# KiCad board SparkFun_RTK_mosaic-T.kicad_pcb (continued)
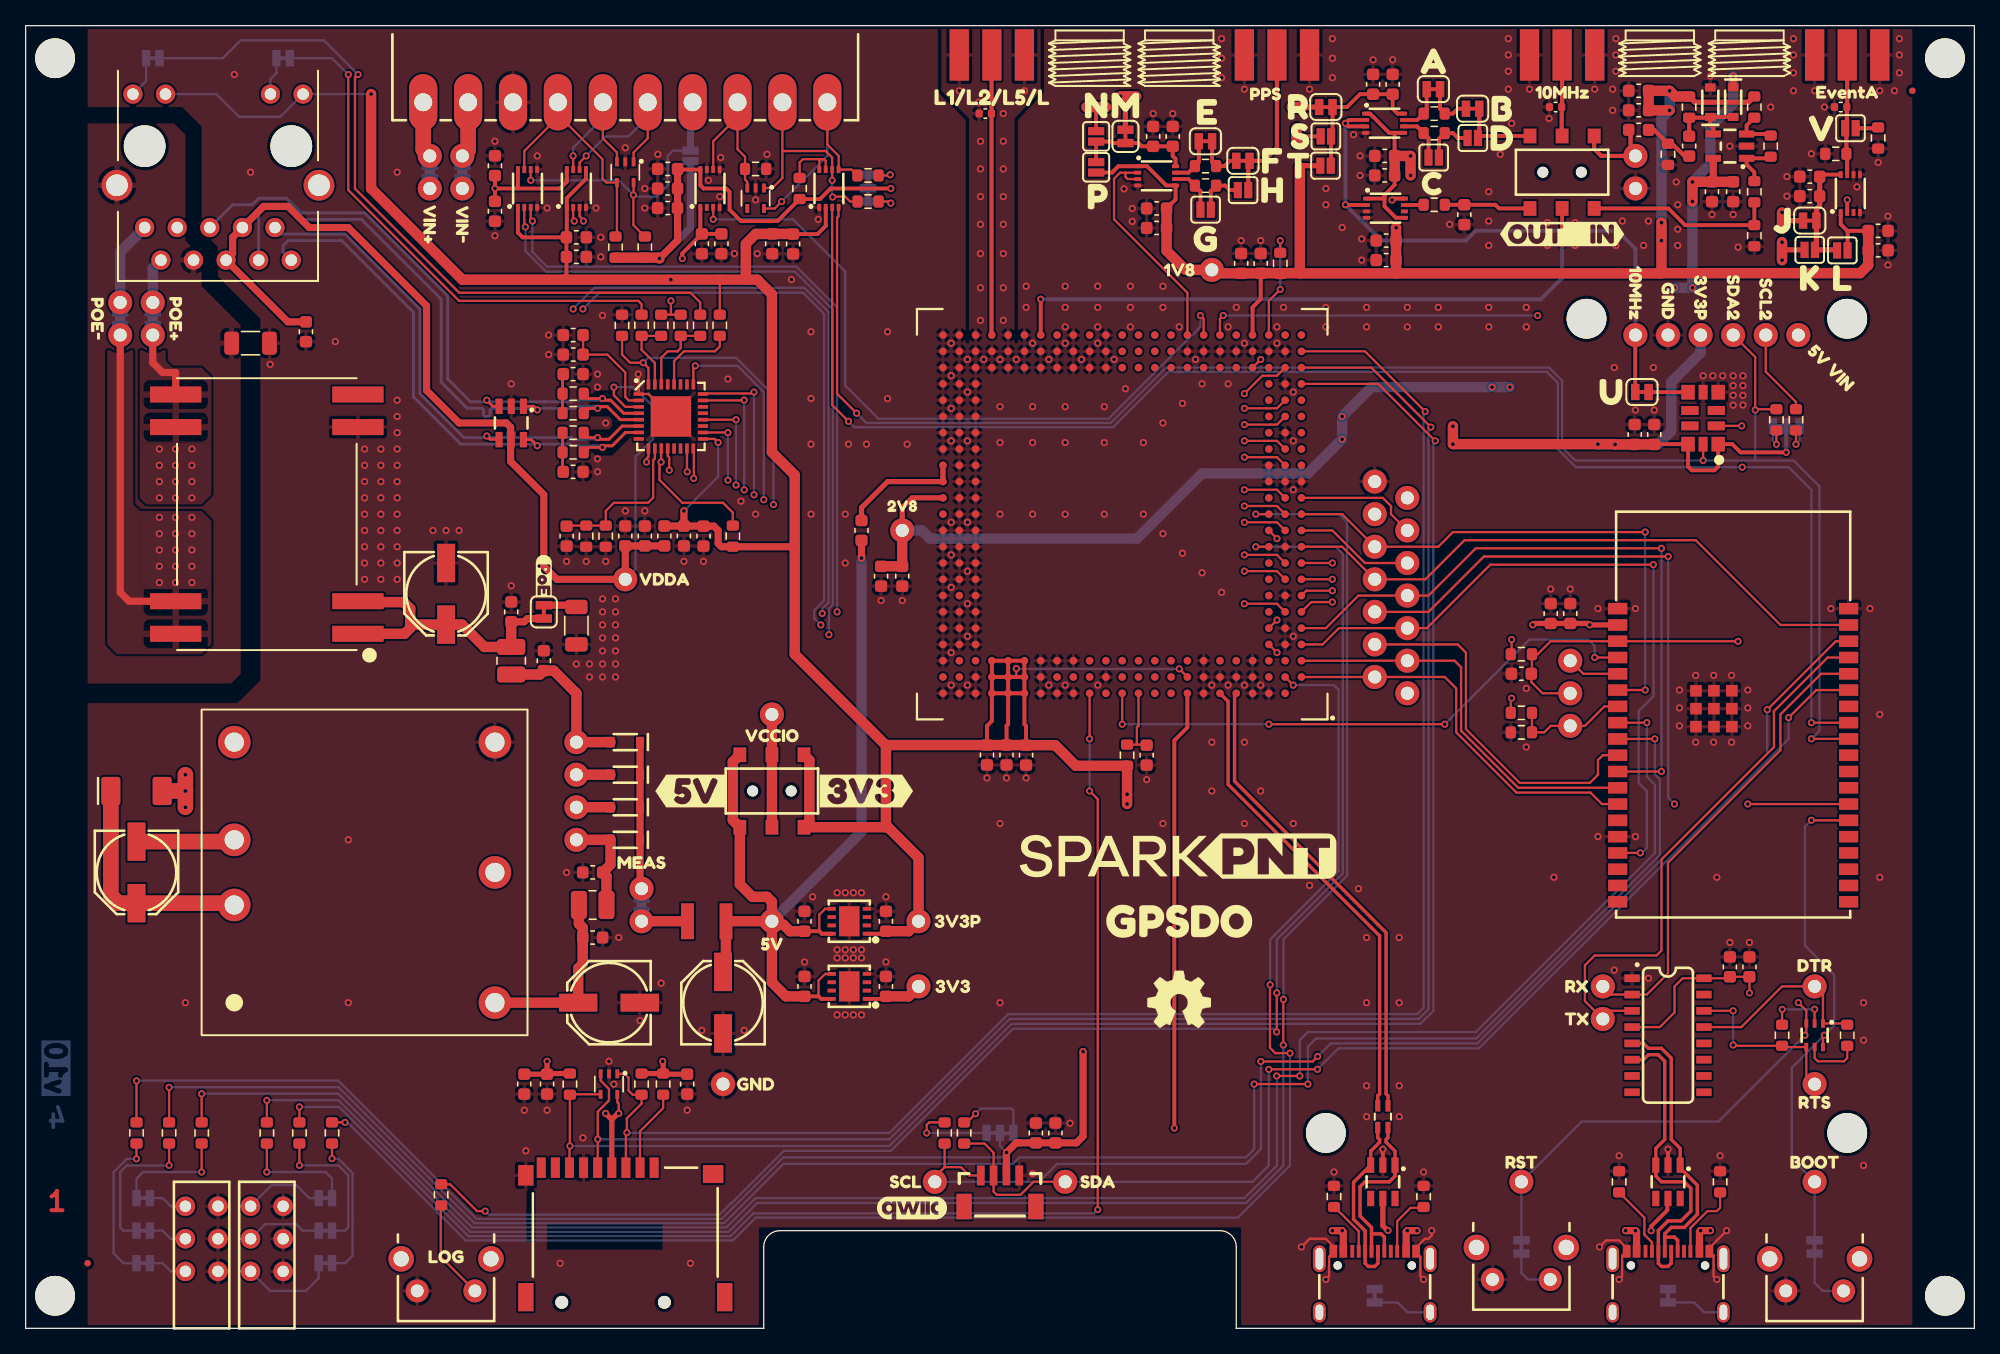
[diagram p0: board, top side]
## Routing (per net, layer and track width the routed paths; a pad name or vN(x,y) marks a point on that pad's centre or on a via; arc(x,y) is an arc through that point) (continued)
ESP22/SCL: length 101.1
  Top w0.178: v1(96.28,20.81) 100.32,20.81 v1(100.72,21.21) ; U1.36 141.1,53.59 v1(135.75,48.25) ; 71.63,12.57 R6.1 ; 71.63,12.57 70.87,11.81 TP25.1 ; 71.63,12.57 72.9,12.57 73.55,11.93 J7.4
  Bottom w0.178: 135.77,48.23 v1(135.75,48.25) 135.75,44.82 113.16,22.22 101.73,22.22 v1(100.72,21.21) ; TP25.1 79,11.43 80.4,12.83 95.13,12.83 96.28,13.98 v1(96.28,20.81) 96.27,20.83
ESP23/MRX3: length 47.7
  Top w0.178: U2.K1 102.62,60.96 TP16.1 109.11,58.42 112.15,61.47 130.18,61.47 136.79,54.86 U1.37
ESP25/MRX4: length 37.3
  Top w0.178: U1.10 122.94,44.7 122.56,44.32 122.56,43.18 121.92,42.55 116.46,42.55 112.27,46.74 112.27,52.71 111.64,53.34 TP10.1 ; U2.D3 v1(97.54,52.71)
  In2.Cu w0.178: v1(97.54,52.71) 100.97,52.71 101.6,53.34 TP10.1
ESP26/MCTS1: length 51.5
  Top w0.178: v1(127.51,60.83) 113.03,60.83 109.35,57.15 TP15.1 103.89,57.15 101.35,54.61 U2.E1 ; v1(127.51,43.43) 125.73,43.43 125.73,43.43 U1.11
  Bottom w0.178: v1(127.51,43.43) v1(127.51,60.83)
ESP27/MRTS1: length 31.7
  Top w0.178: U1.12 116.34,42.16 111.89,46.61 111.89,51.56 111.38,52.07 TP14.1 U2.C1
ESP32/LED_ERROR: length 150.4
  Top w0.178: R12.2 v1(13.72,18.29) ; v1(126.37,47.24) 126.36,47.24 U1.8 ; v1(97.51,19.69) v1(99.32,19.69)
  Bottom w0.178: v1(126.37,47.24) 126.37,43.02 127,42.39 127,37.08 113.03,23.11 99.95,23.11 99.32,22.48 v1(99.32,19.69) ; v1(13.72,18.29) 13.73,18.3 24.37,18.3 34.8,7.87 54.61,7.87 56.9,10.16 95,10.16 97.54,12.7 97.54,19.66 v1(97.51,19.69)
ESP33/LED_LOCK: length 152
  Top w0.178: v1(95.76,19.05) v1(99.95,19.05) ; v1(126.99,45.97) 126.99,45.97 U1.9 ; R13.2 v1(11.18,18.8)
  Bottom w0.178: v1(95.76,19.05) 95.76,13.97 95.13,13.34 77.47,13.34 76.97,12.83 59.06,12.83 54.44,8.2 34.98,8.2 24.37,18.81 11.19,18.81 v1(11.18,18.8) ; v1(126.99,45.97) 126.99,43.22 127.39,42.82 127.39,36.92 113.08,22.61 100.59,22.61 99.95,21.97 v1(99.95,19.05)
ESP34/MTX3: length 42.8
  Top w0.178: v1(126.24,62.1) 111.26,62.1 110.11,60.96 TP17.1 102.62,63.5 U2.M1 ; U1.6 124.11,49.78 v1(126.24,49.78)
  Bottom w0.178: v1(126.24,49.78) v1(126.24,62.1)
ESP35/DeviceSense: length 9
  Top w0.178: 124.1,48.51 123.06,48.51 121.54,46.99 TP24.1 118.88,46.99 118.37,46.48 R8.1 R7.2
ESP36/MRDY: length 44.9
  Top w0.178: U2.A12 v1(85.47,47.12) ; v1(96.91,47.12) v1(110.62,47.12) ; U1.4 122.31,52.32 v1(122.31,52.32)
  Bottom w0.178: v1(110.62,47.12) 117.22,53.72 121.8,53.72 122.31,53.21 v1(122.31,52.32) ; v1(96.91,47.12) v1(85.47,47.12)
ESP_DM: length 24.9
  Top w0.267: J4.A7 128.27,5.08 128.02,4.83 127.51,4.83 127.27,5.07 J4.B7 127.27,7.63 128.02,8.38 129.04,8.38 129.8,9.14 129.8,10.92 129.29,11.43 127.51,11.43 127.07,11.87 D3.3 127.07,14.04 127.77,14.73 127.77,20.83 127.26,21.34 126.5,21.34 126.12,20.96 U3.6
ESP_DP: length 23
  Top w0.267: J4.A6 127.77,7.11 ; 127.77,7.11 127.77,7.37 128.27,7.87 129.29,7.87 130.31,8.89 130.31,11.18 128.97,12.51 D3.1 128.97,14.04 128.27,14.73 128.27,21.08 127.51,21.84 126.5,21.84 126.12,22.22 125.22,22.22 ; 127.77,7.11 128.53,7.11 128.77,6.87 J4.B6
ESP_~{RST}: length 86.4
  Top w0.178: TP1.1 118.24,49.53 117.37,50.41 C8.1 117.41,51.1 R1.2 117.86,52.58 118.87,53.59 U1.3 133.47,53.59 v1(133.48,53.58) ; v1(138.18,25.4) 138.8,24.78 Q1.3 138.8,22.97 v1(138.69,22.86)
  In2.Cu w0.178: v1(138.18,25.4) 136.28,27.31 136.28,50.8 133.49,53.58 v1(133.48,53.58)
  Bottom w0.178: JP10.2 TP37.1 121.29,16.13 131.96,16.13 v1(138.69,22.86)
ETH_CLK: length 53.9
  Top w0.178: v1(95,72.9) 96.4,74.3 97.54,74.3 U2.AA2 ; U4.9 48.55,67.97 48.39,67.82 v1(48.39,67.56)
  In2.Cu w0.178: v1(95,72.9) 91.95,72.9 87.25,68.2 49.15,68.2 v1(48.39,67.56)
ETH_MDC: length 51.6
  Top w0.178: 50.06,68.61 U4.12 50.05,68.04 50.17,67.92 v1(50.17,66.93) 50.06,66.94 ; U2.V2 97.54,70.48 v1(95,70.48)
  In2.Cu w0.178: v1(95,70.48) 90.56,70.48 87.51,67.44 50.68,67.44 v1(50.17,66.93)
ETH_MDIO: length 60.9
  Top w0.178: R33.2 55.12,63.63 54.36,64.39 51.19,64.39 49.41,66.17 49.41,67.44 v1(49.53,67.56) 49.53,68.61 U4.11 ; U2.W2 97.54,71.76 v1(95,71.76)
  In2.Cu w0.178: v1(49.53,67.56) 49.79,67.82 87.38,67.82 91.32,71.76 v1(95,71.76)
ETH_RXD0: length 50.4
  Top w0.178: v1(95,67.95) 97.54,67.95 U2.R2 ; v1(52.07,66.29) 52.09,66.31 52.09,68.58 U4.16
  In2.Cu w0.178: v1(95,67.95) 89.03,67.95 87.76,66.68 86.36,66.68 ; 87.38,66.68 52.46,66.68 v1(52.07,66.29)
ETH_RXD1: length 50.2
  Top w0.178: v1(95,69.22) 97.54,69.22 U2.T2 ; v1(51.57,66.8) 51.55,66.82 U4.15
  In2.Cu w0.178: v1(95,69.22) 89.79,69.22 87.63,67.06 86.24,67.06 ; 86.75,67.06 51.82,67.06 v1(51.57,66.8)
ETH_RXDV: length 49.8
  Top w0.178: U2.N2 97.54,65.41 v1(95,65.41) ; U4.18 54.72,69.87 v1(54.74,69.85)
  In2.Cu w0.178: v1(54.74,66.15) 54.88,66.29 87.76,66.29 88.65,65.41 v1(95,65.41)
  Bottom w0.178: v1(54.74,66.15) v1(54.74,69.85)
ETH_RXER: length 51.5
  Top w0.178: v1(95,64.14) 97.54,64.14 U2.M2 ; U4.20 55.37,70.87 v1(55.38,70.87)
  In2.Cu w0.178: v1(95,64.14) 89.41,64.14 87.63,65.91 55.52,65.91 v1(55.38,65.77)
  Bottom w0.178: v1(55.38,65.77) v1(55.38,70.87)
ETH_TXD0: length 55.8
  Top w0.178: v1(56.77,73.03) 56.66,72.91 52.84,72.91 U4.24 ; U2.J2 97.54,60.33 v1(95,60.33)
  In2.Cu w0.178: v1(95,60.33) 92.21,60.33 87.38,65.15 56.91,65.15 v1(56.77,65.01)
  Bottom w0.178: v1(56.77,65.01) v1(56.77,73.03)
ETH_TXD1: length 59.4
  Top w0.178: U2.H2 97.54,59.06 v1(95,59.06) ; v1(52.2,75.07) 52.05,74.92 U4.25
  In2.Cu w0.178: v1(95,59.06) 92.97,59.06 87.25,64.77 57.68,64.77 v1(57.53,64.63)
  Bottom w0.178: v1(57.53,64.63) 57.53,73.03 55.49,75.07 v1(52.2,75.07) 52.2,75.06
ETH_TXEN: length 53.8
  Top w0.178: U2.L2 97.54,62.87 v1(95,62.87) ; v1(56.01,72.39) 55.99,72.37 U4.23
  In2.Cu w0.178: v1(56.01,65.39) 56.15,65.53 87.51,65.53 90.17,62.87 v1(95,62.87)
  Bottom w0.178: v1(56.01,65.39) v1(56.01,72.39)
ETH_~{RST}: length 68.7
  Top w0.178: 46.49,77.41 46.49,75.95 47.12,75.31 v1(48.14,75.31) 48.55,74.9 U4.32 ; v1(95,56.52) 97.54,56.52 U2.F2
  In2.Cu w0.178: v1(58.3,64.25) 58.44,64.39 87.13,64.39 v1(95,56.52)
  Bottom w0.178: v1(58.3,64.25) 58.3,72.77 55.38,75.69 48.52,75.69 v1(48.14,75.31)
LED_LOG: length 126.1
  Top w0.178: v1(98.56,21.46) 97.41,21.46 96.99,21.88 96.99,26.78 v1(97.01,26.8) ; v1(24.9,16.06) R42.2 ; U2.B2 v1(98.81,50.17)
  Bottom w0.178: v1(97.01,26.8) 97.01,30.33 102.34,35.66 102.34,49.81 101.99,50.17 v1(98.81,50.17) ; v1(24.9,16.06) 25.09,16.06 34.29,6.86 55.12,6.86 56.9,8.64 94.49,8.64 98.56,12.7 v1(98.56,21.46)
LED_PVT: length 109
  Top w0.178: U2.A14 v1(82.94,45.97) ; v1(83.57,9.26) 83.57,41.28 v1(82.94,41.91) ; R40.2 v1(21.34,17.27)
  Bottom w0.178: v1(82.94,45.97) v1(82.94,41.91) ; v1(21.34,17.27) 24.43,17.27 34.51,7.19 54.94,7.19 56.72,8.97 83.28,8.97 v1(83.57,9.26)
LED_RTK: length 148
  Top w0.178: U2.M3 v1(95.89,63.5) ; v1(98.03,22.1) 98.03,25.64 v1(98.05,25.65) ; R39.2 v1(18.8,17.78)
  Bottom w0.178: v1(98.03,22.1) 98.03,12.69 95.13,9.78 57.03,9.78 54.77,7.52 34.65,7.52 24.37,17.79 18.81,17.79 v1(18.8,17.78) ; v1(95.89,63.5) 102.37,63.5 103,62.87 103,35.31 98.05,30.35 v1(98.05,25.65)
LINK: length 6.4
  Top w0.178: U4.30 49.55,75.7 50.04,76.2 50.8,76.2 51.06,76.45 51.06,77.41 52.58,77.41
LOG_BTN: length 119.7
  Top w0.178: v1(35.82,9.14) 35.18,9.14 33.09,11.24 R37.1 ; v1(97.51,23.11) 97.53,23.13 v1(97.53,26.16) ; U2.K3 v1(95.89,60.96)
  Bottom w0.178: v1(35.82,9.14) 36.1,8.86 54.08,8.86 55,9.78 55.04,9.78 59.1,13.84 67.44,13.84 76.97,23.37 97.26,23.37 v1(97.51,23.11) ; v1(95.89,60.96) 102.11,60.96 102.67,60.4 102.67,35.48 97.53,30.34 v1(97.53,26.16)
MCTS2: length 95.5
  Top w0.178: v1(39.5,86.36) 39.37,86.49 U9.3 ; U2.J1 v1(101.86,59.69)
  In2.Cu w0.178: v1(101.86,59.69) 99.06,59.69 95.13,55.75 63.38,55.75 v1(63.25,55.88)
  Bottom w0.178: v1(39.5,86.36) 39.5,83.95 40.64,82.8 60.08,82.8 63.25,79.63 v1(63.25,55.88)
MCTS2_I: length 25.1
  Top w0.178: U9.6 39.37,89.54 v1(39.37,89.53) ; D13.5 47.39,88.41 v1(47.38,88.39) 47.38,86.04 R16.2
  Bottom w0.178: v1(39.37,89.53) 46.23,89.53 v1(47.38,88.39) 47.5,88.27 49.15,88.27 50.04,89.15 50.04,91.44 50.45,91.85 JP15.1
  Bottom w0.559: JP15.1 51.82,95.46 J9.4
MEventA_1V8: length 57.5
  Top w0.178: U2.AC6 93.09,78.74 v1(93.35,78.99)
  Top w0.305: U10.2 141.99,87.04 v1(141.99,88.01)
  In2.Cu w0.178: v1(141.99,88.01) 141.99,85.34 137.04,80.39 128.15,80.39 127,81.53 120.4,81.53 v1(117.86,78.99)
  Bottom w0.178: v1(93.35,78.99) v1(117.86,78.99)
MEventB_1V8: length 56.1
  Top w0.178: 53.61,87.41 U12.3 v1(53.59,86.49) 53.6,86.49 ; v1(91.57,78.99) 91.83,78.74 91.83,77.47
  Bottom w0.178: v1(91.57,78.99) 91.57,78.11 84.41,70.94 66.48,70.94 63.89,73.53 63.89,82.42 59.82,86.49 v1(53.59,86.49)
MEventB_I: length 17
  Top w0.178: D14.3 56.25,89.42 56.08,89.6 R44.1 56.08,91.38 55.49,91.96 J9.3 55.49,94.48 53.59,92.58 U12.6
  Top w0.305: 55.49,94.35 J9.3 55.49,94.25
  Bottom w0.178: 55.49,94.35 J9.3
MOSAIC_DM: length 37.4
  Top w0.267: U2.A6 93.73,48.9 93.73,42.42 105.54,30.61 105.54,18.29 105.4,18.14 TR1.2
MOSAIC_DP: length 37.2
  Top w0.267: 94.37,49.53 94.24,49.4 94.24,42.67 106.05,30.86 106.05,18.29 106.19,18.14 106.19,17.36
MOSAIC_RF_IN: length 21.9
  Top w0.33: J1.1 75.29,99.29 D1.2 75.29,77.62 75.31,77.6 U2.AC20
MPPS_1V8: length 18
  Top w0.178: 85.73,90.14 85.73,89.79 85.88,89.64 U16.3 ; 85.73,90.14 85.31,90.14 84.84,89.66 84.84,86.49 90.56,80.77 U2.AC8 ; 85.73,90.14 U16.2
MRTS2: length 96.4
  Top w0.178: U2.G1 99.83,57.53 v1(101.86,57.53) ; U8.3 43.18,86.75 43.48,86.45 v1(43.48,86.36)
  In2.Cu w0.178: v1(101.86,57.53) 97.92,57.53 95.38,54.99 62.11,54.99 v1(61.98,54.86) ; v1(43.48,86.36) 43.44,86.32 v1(43.44,79.5)
  Bottom w0.178: v1(61.98,54.86) 61.47,55.37 61.47,56.01 62.23,56.77 62.23,79.12 60.58,80.77 44.71,80.77 v1(43.44,79.5)
MRTS2_O: length 13.6
  Top w0.178: v1(43.69,91.44) 43.18,90.93 U8.6 ; D13.1 47.39,91.71 48.49,92.81 J9.5
  Bottom w0.178: J9.5 48.49,94.46 46.99,92.96 45.22,92.96 v1(43.69,91.44)
MRX2: length 97.9
  Top w0.178: v1(101.86,56.64) 100.21,56.64 U2.F1 ; v1(38.95,85.9) 38.99,85.86 38.99,85.85 38.87,85.98 U9.2
  In2.Cu w0.178: v1(62.62,54.1) 63.12,54.61 95.51,54.61 97.54,56.64 v1(101.86,56.64)
  Bottom w0.178: v1(62.62,54.1) 62.62,56.13 62.92,56.44 62.92,79.45 59.95,82.42 40.56,82.42 38.95,84.03 v1(38.95,85.9)
MRX2_I: length 19.2
  Top w0.178: R41.2 46.09,85.27 D13.4 45.25,89.37 44.96,89.66 44.96,91.19 41.49,94.66 J9.7 41.49,94.45 38.87,91.83 U9.7
MTX2: length 96.8
  Top w0.178: U2.H1 v1(101.86,58.42) ; v1(42.76,86.36) 42.68,86.44 U8.2
  In2.Cu w0.178: v1(42.68,79.5) 42.68,86.36 v1(42.76,86.36) ; v1(62.09,55.75) 62.11,55.75 62.5,55.36 73.65,55.36 73.66,55.37 95.25,55.37 98.3,58.42 v1(101.86,58.42)
  Bottom w0.178: v1(42.68,79.5) 44.33,81.15 60.71,81.15 62.59,79.27 62.59,56.62 62.09,56.12 v1(62.09,55.75)
MTX2_O: length 11.3
  Top w0.178: J9.6 44.99,92.81 46.09,91.71 D13.3 ; U8.7 42.68,90.62 42.68,90.63 v1(42.68,91.44)
  Bottom w0.178: J9.6 44.99,94.39 42.68,92.08 v1(42.68,91.44)
POE+: length 3.6
  Bottom w0.813: JP4.1 9.91,82.68 J5.9
POE-: length 6.6
  Bottom w0.813: J5.10 7.37,83.95 JP5.1
RD+: length 48.3
  Top w0.229: R22.1 43.88,71.76 v1(44.58,71.76) 44.71,71.88 45.34,71.88 46.36,70.87 U4.5 ; v1(39.88,71.63) 39.6,71.91 D6.1
  Bottom w0.229: v1(44.58,71.76) 44.45,71.88 42.93,71.88 42.8,71.76 40.01,71.76 v1(39.88,71.63) 39.75,71.76 36.33,71.76 36.2,71.63 36.2,71.25 36.07,71.12 35.82,71.12 35.69,71.25 35.69,71.63 35.56,71.76 34.42,71.76 32.39,73.79 32.39,80.26 26.17,86.49 21.21,86.49 20.07,87.63 18.42,87.63 18.17,87.38 J5.3
RD-: length 48.5
  Top w0.229: R21.1 43.88,72.52 v1(44.96,72.52) 45.09,72.39 45.6,72.39 46.62,71.37 U4.4 ; D6.3 36.42,71.91 v1(35.94,72.39)
  Bottom w0.229: J5.6 16.13,87.63 17.66,87.63 18.17,88.14 20.32,88.14 21.47,87 26.42,87 32.9,80.52 32.9,74.04 34.68,72.26 35.82,72.26 v1(35.94,72.39) 36.07,72.26 40.52,72.26 40.39,72.26 42.55,72.26 42.68,72.39 44.84,72.39 v1(44.96,72.52)
REF_IN: length 49.5
  Top w0.305: 119.77,87.34 v1(119.77,84.58) ; U2.AC17 v1(79.12,80.26)
  Bottom w0.305: v1(119.77,84.58) 119.77,81.92 118.11,80.26 v1(79.12,80.26)
SCL2_IO: length 17
  Top w0.178: J9.2 58.99,91.82 ; 58.99,91.82 58.99,89.72 58.21,88.94 D14.1 ; 58.99,91.82 62.36,91.82 62.87,91.32 U18.6 62.87,89.54 v1(62.87,89.53) ; R55.1 64.27,87.88 63.89,88.27 62.87,88.27 v1(62.9,88.23)
  Bottom w0.178: v1(62.87,89.53) 62.87,88.27 v1(62.9,88.23)
SD_CLK: length 134.4
  Top w0.178: D7.3 44.82,19.32 45.47,18.67 45.47,17.78 44.59,16.9 v1(44.59,14.75) 44.59,14.74 J6.5 ; v1(109.54,70.29) 104.89,74.93 U2.AA1
  Bottom w0.178: v1(109.54,70.29) 109.35,70.1 109.35,24.89 108.59,24.13 76.71,24.13 67.33,14.75 v1(44.59,14.75) 44.58,14.73
SD_CMD: length 133.7
  Top w0.178: D7.1 46.7,19.85 46.99,19.56 46.99,18.54 47.31,18.22 48.01,18.22 48.01,17.53 46.87,16.38 v1(46.87,15.27) 46.79,15.19 J6.3 ; U2.AB1 104.4,76.2 v1(109.1,71.5)
  Bottom w0.178: v1(46.87,15.27) 46.87,15.24 67.31,15.24 76.59,24.51 108.46,24.51 108.97,25.02 108.97,71.37 v1(109.1,71.5)
SD_DATA: length 136.6
  Top w0.178: D7.4 42.45,18.25 42.42,18.22 v1(42.42,14.22) 42.39,14.19 J6.7 ; v1(109.87,69.22) 105.43,73.66 U2.Y1
  Bottom w0.178: v1(109.87,69.22) 109.73,69.07 109.73,24.77 108.72,23.75 76.84,23.75 67.31,14.22 v1(42.42,14.22)
SDA2_IO: length 18.1
  Top w0.178: R54.1 64.38,90.38 U18.5 63.37,90.65 63.38,90.66 63.38,91.44 62.49,92.33 J9.1 ; D14.5 58.39,87.34 v1(58.93,87.88)
  Bottom w0.178: J9.1 62.49,91.44 v1(58.93,87.88)
SPEED: length 5.7
  Top w0.178: U4.31 49.05,75.29 48.01,76.33 48.01,77.41 49.53,77.41
TD+: length 43.3
  Top w0.229: v1(39.88,68.83) 39.4,69.31 D6.6 ; U4.7 46.76,69.87 45.72,68.83 45.09,68.83 v1(44.96,68.71) 43.88,68.71 R19.2
  Bottom w0.229: v1(44.96,68.71) 44.84,68.83 42.55,68.83 42.42,68.96 40.01,68.96 v1(39.88,68.83) 39.75,68.96 33.91,68.96 30.23,72.64 30.23,79.25 24.64,84.84 20.45,84.84 20.07,84.46 20.07,83.95 J5.1
TD-: length 42.7
  Top w0.229: D6.4 36.87,69.34 36.2,69.34 v1(35.94,69.6) ; R20.2 43.88,69.47 v1(44.58,69.47) 44.71,69.34 45.47,69.34 46.5,70.37 U4.6
  Bottom w0.229: v1(44.58,69.47) 44.45,69.34 42.68,69.34 42.55,69.47 38.23,69.47 38.1,69.6 38.1,69.85 37.98,69.98 37.72,69.98 37.6,69.85 37.6,69.6 37.47,69.47 36.07,69.47 v1(35.94,69.6) 35.82,69.47 34.17,69.47 30.74,72.9 30.74,79.5 24.9,85.34 19.94,85.34 J5.2
VANT: length 9.5
  Top w0.406: L1.2 65.16,64.01 67.19,66.04 U2.P23 U2.R23
VUSB: length 173
  Top w0.178: 106.18,7.62 v1(106.2,7.64)
  Top w0.305: v1(89.54,15.62) 89.54,45.85 90.56,46.86 U2.A8
  Top w0.406: 106.18,7.62 105.8,8 D2.5
  Top w0.559: J2.VBUS 107.61,7.53 v1(107.7,7.62) v1(108.46,7.62) ; J2.VBUS 102.71,7.53 v1(102.62,7.62) v1(101.86,7.62)
  Top w0.813: D4.A TP8.1
  In2.Cu w1.219: TP8.1 32.77,43.18 27.69,38.1 27.69,18.29 35.56,10.41 55.12,10.41 62.49,17.78 87.38,17.78 v1(89.54,15.62) 97.54,7.62 v1(101.86,7.62) v1(102.62,7.62) v1(107.7,7.62) v1(108.46,7.62)
VUSB2: length 157
  Top w0.178: 126.75,7.64 126.75,7.62 126.71,7.62 v1(126.7,7.62)
  Top w0.305: v1(126.7,7.62) 126.7,7.96 127.97,9.22 127.97,10.13
  Top w0.559: v1(124.72,7.62) v1(125.48,7.62) 125.57,7.53 J4.VBUS ; J4.VBUS 130.47,7.53 v1(130.56,7.62) v1(131.32,7.62)
  Top w0.813: D5.A TP9.1
  In2.Cu w1.219: v1(131.32,7.62) v1(130.56,7.62) v1(125.48,7.62) v1(124.72,7.62) 122.94,7.62 121.42,9.14 98.3,9.14 88.14,19.3 61.98,19.3 54.61,11.94 36.07,11.94 29.21,18.8 29.21,37.34 32.52,40.64 TP9.1
Net-(A.1-A): length 3.8
  Top w0.305: A.1.1 109.21,94.98 R46.2 108.47,94.24 U15.7
Net-(A.1-B): length 3.9
  Top w0.305: B.1.1 111.64,95.12 111.26,94.74 R46.1 110.25,95.11 A.1.2
Net-(C11-Pad2): length 3.1
  Top w0.229: 41.85,69.85 41.85,66.85 C11.2
Net-(C12-Pad1): length 3.1
  Top w0.229: C12.1 41.85,74.37 41.85,71.37
Net-(C75-Pad2): length 4
  Top w0.33: C76.1 129.3,91.43 128.34,92.39 R50.2 126.94,93.47 C75.2
Net-(C.1-A): length 3.9
  Top w0.305: U15.6 108.45,93.74 R49.2 109.35,92.84 109.35,91.31
Net-(C.1-B): length 4
  Top w0.305: C.1.2 110.16,92.76 R49.1 111.26,93.22 111.64,92.84 D.1.1
Net-(D2-I/O1): length 14.8
  Top w0.267: J2.A6 104.91,7.36 ; 104.91,7.36 104.91,7.87 104.02,8.76 104.02,11.05 104.4,11.43 106.3,11.43 106.75,11.87 D2.1 106.75,13.82 106.05,14.52 106.05,14.73 106.19,14.88 106.19,15.66 ; 104.91,7.36 104.91,7.37 105.67,7.37 105.91,7.12 J2.B6
Net-(D2-I/O2): length 14.1
  Top w0.267: J2.A7 105.41,5.08 105.16,4.83 104.65,4.83 104.41,5.07 J2.B7 104.41,7.61 103.51,8.51 103.51,11.39 104.41,12.29 104.53,12.29 104.53,12.41 D2.3 104.84,13.82 105.54,14.52 105.54,14.73 105.4,14.88 TR1.1
Net-(D15-A2): length 9.5
  Top w0.33: J3.1 141.99,95.28 D15.2 141.96,93.72 V.1.2 141.93,93.51 R43.1 141.98,91.55 U10.7
Net-(E.1-A): length 3.8
  Top w0.305: E.1.1 91.44,90.95 R45.2 90.63,90.14 U16.7
Net-(E.1-B): length 3.8
  Top w0.305: E.1.2 92.49,90.96 R45.1 93.44,90.65 93.86,91.06 F.1.1
Net-(F.1-B): length 12.1
  Top w0.33: J12.1 97.54,92.08 96.52,91.06 F.1.2 95.3,90.96 H.1.2
Net-(G.1-A): length 3.8
  Top w0.305: 91.57,87.25 91.57,88.7 R48.2 90.63,89.64 U16.6
Net-(G.1-B): length 3.9
  Top w0.305: H.1.1 93.86,88.77 93.51,89.12 R48.1 92.38,88.71 G.1.2
Net-(J2-CC1): length 4.3
  Top w0.178: R9.2 102.03,9.46 103.91,7.58 J2.A5
Net-(J2-CC2): length 4.9
  Top w0.178: J2.B5 106.91,8.35 107.95,9.4 108.91,9.4 R10.2
Net-(J2-SHIELD): length 4.6
  Bottom w0.178: J2.S 107.72,1.25 106.95,2.02 JP8.2
Net-(J4-CC1): length 5.7
  Top w0.178: J4.A5 126.77,6.71 126.18,7.3 126.18,8.63 R15.2
Net-(J4-CC2): length 6
  Top w0.178: J4.B5 129.77,7.82 131.09,9.14 131.83,9.14 132.08,9.4 R14.2
Net-(J4-SHIELD): length 4.6
  Bottom w0.178: JP9.2 130.06,2.02 130.83,1.25 J4.S
Net-(J5-GRN-): length 3.2
  Bottom w0.178: J5.14 9.39,97.29 JP13.1
Net-(J5-YLW-): length 3
  Bottom w0.178: JP12.1 19.55,97.9 19.08,97.44 J5.12
Net-(J6-DAT3/CD): length 6.4
  Top w0.178: 49.69,18.22 49.69,17.18 47.89,15.37 J6.2
Net-(J.1-A): length 9.3
  Top w0.305: C63.1 140,89.98 U10.8
  Top w0.406: C63.1 C61.1 139.84,87.55 139.59,87.3 J.1.1 139.59,84.23 K.1.1 141.17,84.11 L.1.1
Net-(JP1-A): length 6.8
  Top w0.178: R6.2 70.43,16.06 70.24,15.88 v1(70.24,15.24)
  Bottom w0.178: JP1.1 v1(70.24,15.24)
Net-(JP1-B): length 6.1
  Top w0.178: R4.2 73.37,16.06 v1(74.05,16.74)
  Bottom w0.178: v1(74.05,16.74) 74.45,17.15 76.84,17.15 76.99,16.99 JP1.3
Net-(JP2-B): length 65
  Top w1.219: v1(12.45,41.91) v1(12.45,40.64) ; v1(12.45,41.91) D8.A ; v1(12.45,41.91) v1(12.45,43.18)
  In1.Cu w1.219: v1(12.45,41.91) v1(12.45,43.18) ; v1(12.45,41.91) 18.04,41.91 21.09,44.96 21.09,78.49 JP2.2 ; v1(12.45,41.91) v1(12.45,40.64)
Net-(JP3-B): length 67
  Top w1.219: C35.2 16.12,37.96 U6.2
  In1.Cu w1.219: JP3.2 34.04,87.38 33.53,86.87 31.5,86.87 22.61,77.98 22.61,44.45 U6.2
Net-(JP6-A): length 11.5
  Top w0.559: D10.C D4.C D5.C D9.C 47.89,34.41 JP6.1
Net-(JP6-B): length 3.6
  Top w0.813: JP6.2 F1.2
Net-(JP7-A): length 2.6
  Top w0.559: 42.93,56.27 42.79,56.4 JP7.1
Net-(JP7-B): length 23.4
  Top w0.559: JP7.2 39.11,55.36 38.85,55.11 C37.1
  Top w0.813: C37.1 L4.1 35.76,53.15 34.01,54.89 C36.1 30.2,54.89 29.98,55.12 ; U7.2 25.97,56.64 29.47,56.64 29.98,56.13 29.98,55.12 ; U7.1 29.54,54.17 29.98,54.61 29.98,55.12
Net-(JP10-A): length 4
  Bottom w0.178: SW1.2 117.1,3.81 116.59,4.32 JP10.1
Net-(JP11-A): length 4.8
  Bottom w0.178: JP11.1 139.45,3.56 140.09,2.92 SW2.2
Net-(JP12-B): length 41.5
  Top w0.178: R17.2 48.01,79.88 47.76,80.14 33.79,80.14 25.15,88.77 v1(25.15,97.79)
  Bottom w0.178: JP12.2 23.88,99.06 v1(25.15,97.79)
Net-(JP13-B): length 57.7
  Top w0.178: R18.2 52.58,80.01 51.82,80.77 33.79,80.77 25.67,88.89 25.67,97.55 v1(25.91,97.79)
  Bottom w0.178: v1(25.91,97.79) 23.25,100.46 16.77,100.46 15.37,99.06 JP13.2
Net-(JP14-A): length 2.6
  Top w0.178: R32.1 v1(138,68.95)
  Bottom w0.178: JP14.1 138.27,69.23 v1(138,68.95)
Net-(JP14-B): length 2.6
  Top w0.178: R31.1 v1(136.47,68.95)
  Bottom w0.178: JP14.3 136.19,69.23 v1(136.47,68.95)
Net-(JP16-A): length 9
  Top w0.178: R12.1 v1(13.72,12.19)
  Bottom w0.178: JP16.1 8.64,11.68 9.15,12.19 v1(13.72,12.19)
Net-(JP16-B): length 3
  Bottom w0.178: JP16.2 10.67,10.16 11.31,9.53 D11.ANODE_1
Net-(JP17-A): length 11.4
  Top w0.178: R13.1 v1(11.18,12.71)
  Bottom w0.178: JP17.1 7.62,7.62 7.37,7.87 7.37,12.19 7.88,12.7 11.17,12.7 v1(11.18,12.71)
Net-(JP17-B): length 3
  Bottom w0.178: D11.ANODE_2 11.31,6.99 10.67,7.62 JP17.2
Net-(JP18-A): length 11.8
  Top w0.178: R38.1 v1(8.64,13.22)
  Bottom w0.178: v1(8.64,13.22) 7.89,13.22 6.86,12.19 6.86,5.84 7.62,5.08 JP18.1
Net-(JP18-B): length 3
  Bottom w0.178: JP18.2 10.67,5.08 11.31,4.44 D11.ANODE_3
Net-(JP19-A): length 9
  Top w0.178: v1(18.8,12.19) R39.1
  Bottom w0.178: v1(18.8,12.19) 23.37,12.19 23.88,11.68 JP19.1
Net-(JP19-B): length 6.4
  Bottom w0.178: JP19.2 22.1,10.16 21.09,11.18 19.18,11.18 D12.ANODE_1
Net-(JP20-A): length 11.3
  Top w0.178: R40.1 v1(21.34,12.71)
  Bottom w0.178: JP20.1 24.9,7.62 25.15,7.87 25.15,11.94 24.37,12.71 v1(21.34,12.71)
Net-(JP20-B): length 6
  Bottom w0.178: JP20.2 21.59,7.62 21.09,8.13 18.67,8.13 D12.ANODE_2
Net-(JP21-A): length 11.5
  Top w0.178: R42.1 v1(23.88,13.23)
  Bottom w0.178: JP21.1 24.9,5.08 25.48,5.66 25.48,12.12 24.36,13.23 v1(23.88,13.23)
Net-(JP21-B): length 7.5
  Bottom w0.178: JP21.2 22.84,3.91 21.85,2.92 19.05,2.92 D12.ANODE_3
Net-(JP22-A): length 2.8
  Top w0.178: v1(67.44,87.76) 67.31,87.88 R55.2
  Bottom w0.178: JP22.1 67.31,87.88 v1(67.44,87.76)
Net-(JP22-B): length 2.7
  Top w0.178: v1(67.39,89.97) 67.34,89.92 R54.2
  Bottom w0.178: 67.44,89.92 v1(67.39,89.97) JP22.3
Net-(M.1-A): length 9.4
  Top w0.305: U16.8 89.64,91.22 89.41,91.44 C67.1 C65.1 87.01,92.19 86.76,92.44 M.1.1 84.73,92.44 84.61,92.56 N.1.1 P.1.1
Net-(Q1A-B1): length 4.9
  Top w0.178: R3.1 136.91,24.87 v1(136.92,24.88) ; Q1.2 v1(139.45,24.89)
  Bottom w0.178: v1(139.45,24.89) 139.44,24.88 v1(136.92,24.88) 136.91,24.89
Net-(Q1B-B2): length 4.6
  Top w0.178: Q1.5 139.45,21.08 139.7,20.83 141.74,20.83 141.99,21.08 141.99,22.03
Net-(R37-Pad2): length 7.8
  Top w0.178: SW3.2 32.36,5.58 32.36,9.56 32.39,9.59
Net-(R52-Pad1): length 4
  Top w0.305: R58.2 134.75,90.17 134.15,90.77 U17.1 135.9,91.25 R52.1
Net-(R.1-A): length 11.8
  Top w0.305: 101.76,90.68 S.1.1 101.87,93.08 R.1.1 103,95.25 104,96.25 C49.1 C51.1 106.56,95.12 106.94,94.74 U15.8
Net-(U1-IA39): length 4.1
  Top w0.178: TP43.1 121.42,51.05 U1.5
Net-(U2-COM3_CTS): length 9.7
  Top w0.178: U2.N1 105.8,64.77 106.43,64.14 106.43,63.5 TP19.1
Net-(U2-COM3_RTS): length 9.3
  Top w0.178: U2.L1 101.86,62.23 104.4,59.69 TP18.1
Net-(U2-GPIO_1): length 19.8
  Top w0.178: U2.AA4 v1(96.27,75.57)
  In2.Cu w0.178: v1(96.27,75.57) 96.27,72.64 101.1,67.82 106.81,67.82 107.7,66.93 TP20.1
Net-(U2-GPIO_2): length 9.3
  Top w0.178: U2.L3 v1(97.54,61.59)
  In2.Cu w0.178: v1(97.54,61.59) 100.97,61.59 102.87,63.5 TP21.1
Net-(U2-SYNC): length 8.7
  Top w0.178: R5.1 v1(97.79,84.84) ; v1(97.79,81.03) 96.91,80.14 U2.AC3
  Bottom w0.178: v1(97.79,81.03) v1(97.79,84.84)
Net-(U2-~{RESET}): length 5.6
  Top w0.178: U2.A11 86.75,46.99 86.62,46.86 86.62,45.53 ; C3.2 87.33,45.53 86.62,45.53 ; 86.62,45.53 R11.1
Net-(U4-COL/CONFIG0): length 6.7
  Top w0.178: U4.28 50.55,75.43 51.31,76.2 53.72,76.2 54.11,76.58 54.11,77.41
Net-(U4-REXT): length 12.2
  Top w0.178: U4.10 49.05,67.84 48.91,67.7 48.91,64.78 48.52,64.39 45.85,64.39 45.22,63.75 R26.1 R25.1 42.22,62.61 C15.1
Net-(U4-VDDP_1.8): length 8.5
  Top w0.178: 43.45,77.47 43.45,75.95 45.34,75.95 46.74,74.55 46.74,72.64 47.01,72.37 U4.2
Net-(U6-VIN+): length 18.1
  Top w1.219: D8.C 6.64,33.75 7.23,33.16 C35.1 16.12,33.16 U6.1
Net-(U6-VOUT+): length 159.6
  Top w0.813: L3.1 43.12,31.56 43.43,31.26 C33.1 43.43,28.44 43.07,28.08 C32.1 U6.6
  In2.Cu w1.219: U6.6 45.09,25.4 55.5,35.81 111,35.81 114.3,39.12 114.3,61.47 117.86,65.02 138.05,65.02 140.34,67.31 140.34,72.52 138.18,74.68 TP45.1
Net-(U14-1B): length 1.5
  Top w0.305: R30.2 108.95,87.61 U14.7
Net-(U17-+): length 3.5
  Top w0.305: R52.2 135.9,93.15 U17.3 134.15,93.82 R57.2
Net-(U17--): length 6.3
  Top w0.305: U17.4 131.55,93.63 131.32,93.85 D18.C D16.A
  Top w0.33: D18.C 131.27,94.43 R56.2 C76.2
Net-(U18-EN): length 4.9
  Top w0.178: U18.7 62.37,91.06 62.23,91.19 61.85,91.19 ; 61.85,91.19 61.87,91.17 U18.8 ; 61.85,91.19 60.58,91.19 60.33,90.93 R53.1
Net-(U.1-A): length 3.1
  Top w0.305: U.1.1 126.52,73.01 U13.6 129.57,73.02
Net-(V.1-A): length 1.8
  Top w0.33: R47.2 144.34,93.6 V.1.1

## Copper pours and planes (outline as drawn; the poured copper is in the pictures)
GND on Top, Bottom, In1.Cu, In2.Cu: 94.75,0.25 94.75,7.87 57.15,7.87 57.15,0.25 4.83,0.25 4.83,48.77 16.51,48.77 18.29,50.55 18.29,78.74 14.99,82.04 14.99,84.33 13.72,85.6 13.72,93.73 12.2,95.25 4.83,95.25 4.83,101.35 147.07,101.35 147.07,0.25
GND-ISO on Top, Bottom, In1.Cu, In2.Cu: 4.83,93.98 11.56,93.98 12.45,93.09 12.45,84.84 13.72,83.57 13.72,81.28 16.77,78.23 16.77,51.05 16.01,50.29 4.83,50.29
VIN+ on Top: 8.89,77.72 10.93,77.72 10.93,75.44 11.43,74.93 13.72,74.93 14.48,74.17 14.48,65.02 13.72,64.26 9.4,64.26 8.89,64.77
VIN+ on Top, Bottom, In1.Cu, In2.Cu: 8.89,64.77 8.89,68.58 9.4,69.09 13.97,69.09 14.48,68.58 14.48,65.02 13.72,64.26 9.4,64.26
VIN- on Top: 8.39,77.47 8.39,64.26 8.89,63.75 13.72,63.75 14.48,62.99 14.48,53.34 13.72,52.58 7.12,52.58 6.35,53.34 6.35,77.47
VIN- on Top, Bottom, In1.Cu, In2.Cu: 13.72,63.75 14.48,62.99 14.48,58.17 13.97,57.66 9.4,57.66 8.89,58.17 8.89,63.25 9.4,63.75

## Text on the board
